# Altium PCB Qwiic GPS-RTK - ublox NEO-M8P.PcbDoc
Units mil, origin at the board's own origin, x right, y up, seen from the top; angles counter-clockwise.
Board outline 1600 x 1300 mil, 2 copper layers (Top, Bottom); 103 components, 39 nets, 156 pads, 203 vias.
Unrouted connection lines stored in the file: 2.
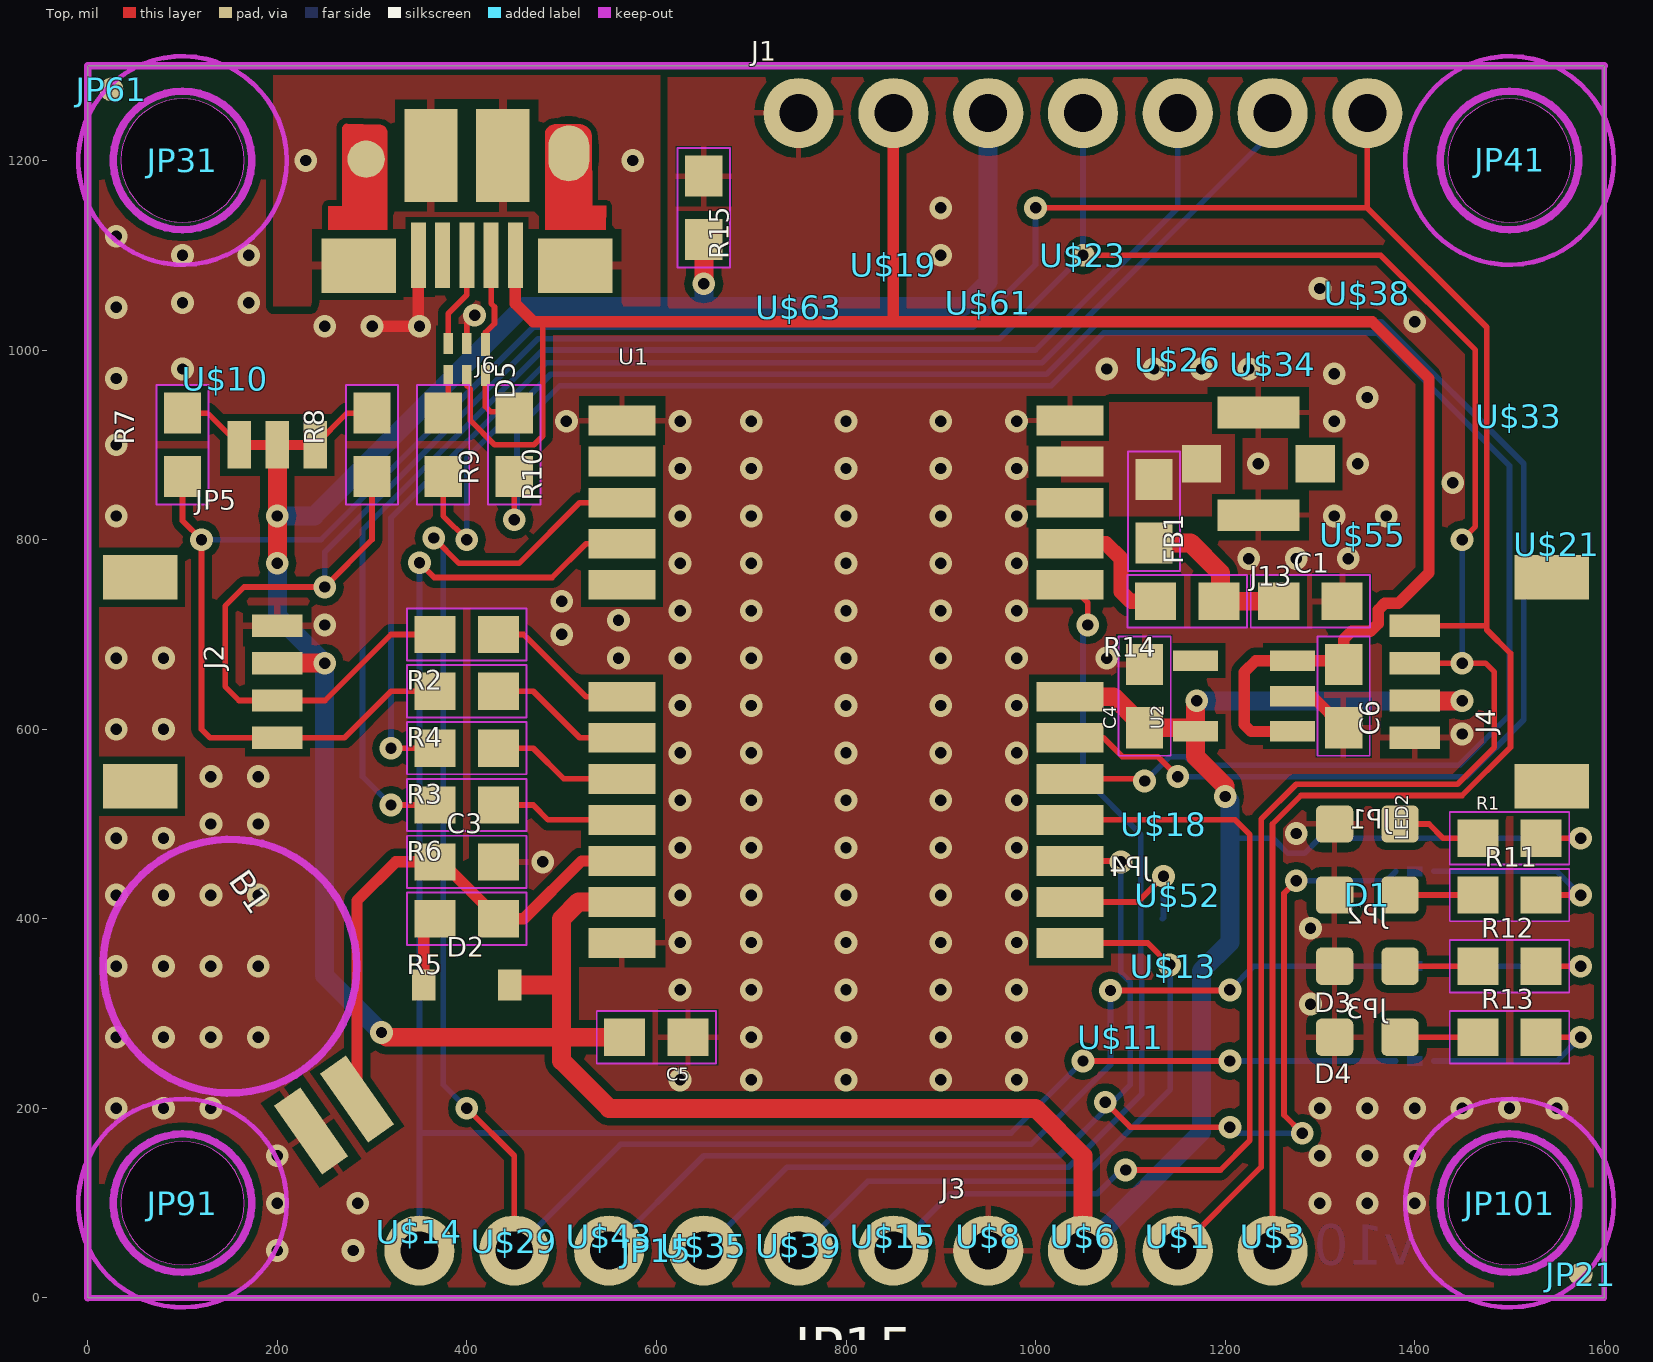
[diagram p0: Top view]
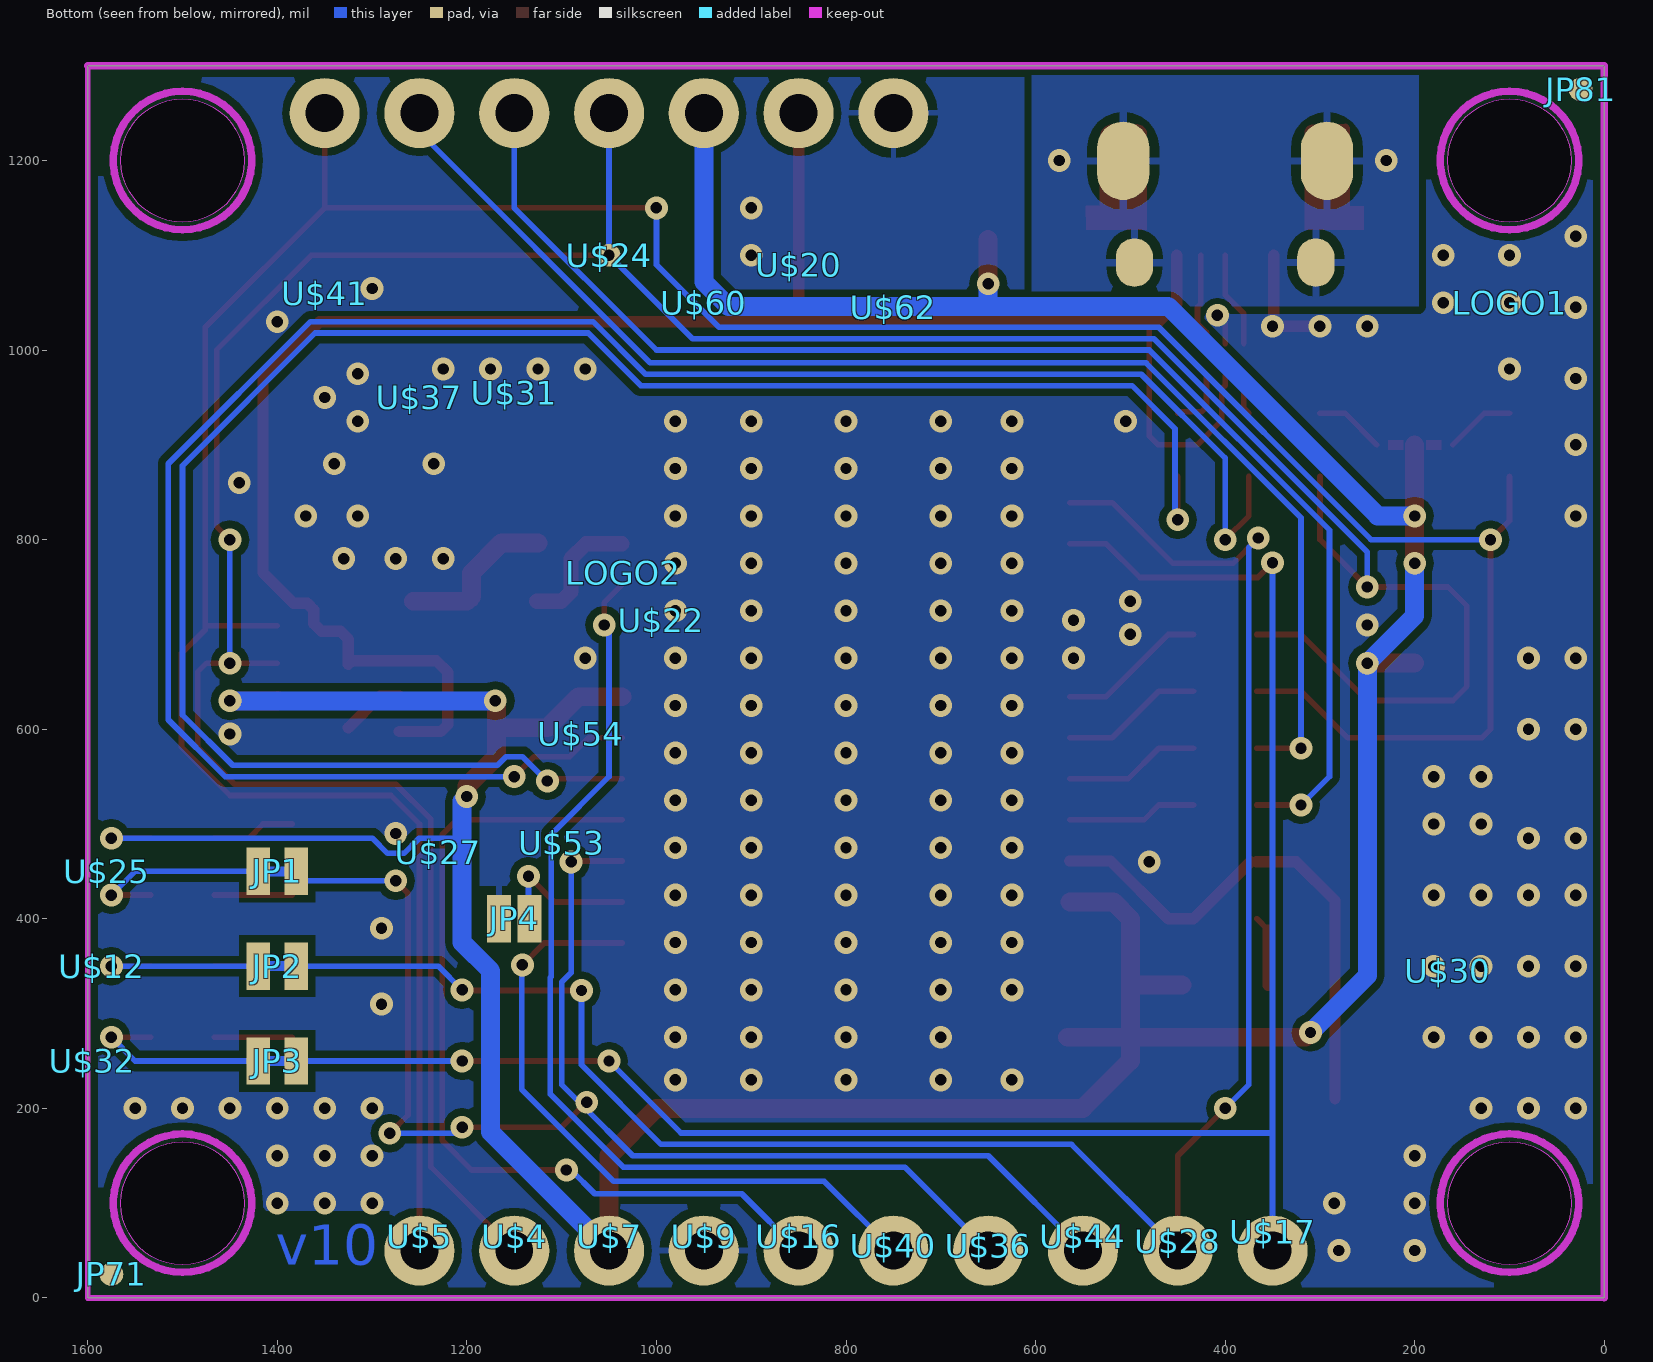
[diagram p1: Bottom view, seen from below]

## Layer stack, top to bottom
Top Solder: solder mask 0.4, Solder Resist, Dk 3.5
Top: signal copper 1.378
Dielectric 1: dielectric 12.6, FR-4, Dk 4.8
Bottom: signal copper 1.378
Bottom Solder: solder mask 0.4, Solder Resist, Dk 3.5

## Board outline
1600,0 0,0 0,1300 1600,1300
cut-out: 100,35 ccw(c100,100) 165,100 ccw(c100,100) 100,165 ccw(c100,100) 35,100 ccw(c100,100)
cut-out: 1500,35 ccw(c1500,100) 1565,100 ccw(c1500,100) 1500,165 ccw(c1500,100) 1435,100 ccw(c1500,100)
cut-out: 100,1135 ccw(c100,1200) 165,1200 ccw(c100,1200) 100,1265 ccw(c100,1200) 35,1200 ccw(c100,1200)
cut-out: 1500,1135 ccw(c1500,1200) 1565,1200 ccw(c1500,1200) 1500,1265 ccw(c1500,1200) 1435,1200 ccw(c1500,1200)

## Design rules (kind name [scope] priority, off if disabled: settings)
BoardOutlineClearance mdCopperDimension [All] p1: gap=10 ignorepadtopadclearanceinfootprint=FALSE except(0: Arc-SplitContinuation Track-SplitContinuation SMDPad-SplitContinuation THPad-SplitContinuation Via-SplitContinuation Fill-SplitContinuation Poly-SplitContinuation Region-SplitContinuation Text-SplitContinuation; 6: Poly-OutlineEdge Poly-CavityEdge Poly-CutoutEdge Poly-SplitBarrior)
Clearance Clearance_for_PolygonClass_Isolate_8 [InPolygonClass('Isolate_8') vs IsArc Or IsTrack Or IsPad Or IsVia Or IsFill Or IsRegion Or IsText] p1: gap=8 ignorepadtopadclearanceinfootprint=FALSE
Clearance Clearance_for_PolygonClass_Isolate_6 [InPolygonClass('Isolate_6') vs IsArc Or IsTrack Or IsPad Or IsVia Or IsFill Or IsRegion Or IsText] p2: gap=6 ignorepadtopadclearanceinfootprint=FALSE
Clearance "Clearance (Same Net)" [All] p3: gap=6 ignorepadtopadclearanceinfootprint=FALSE
Clearance [All] p4: gap=6 ignorepadtopadclearanceinfootprint=FALSE
HoleSize HoleSize_For_NetClass_3.3V [InNetClass('3.3V')] p1: absolutevalues=TRUE maxlimit=0 minlimit=0 maxpercent=80.000 minpercent=20.000
HoleSize HoleSize_For_NetClass_vcc [InNetClass('vcc')] p2: absolutevalues=TRUE maxlimit=0 minlimit=0 maxpercent=80.000 minpercent=20.000
HoleSize [All] p3: absolutevalues=TRUE maxlimit=100000 minlimit=11.81 maxpercent=80.000 minpercent=20.000
HoleToHoleClearance mdDrill [All] p1: gap=6 allowstackedmicrovias=TRUE
MinimumSolderMaskSliver [All] p1 off: minsoldermaskwidth=10
PasteMaskExpansion Expansion_SMDPaste_OFF [InPadClass('SMDPaste_OFF')] p1: expansion=0
PasteMaskExpansion mlMinCreamFrame [All] p2: expansion=0
PolygonConnect PolygonConnect_For_PolygonThermal_ON_Width60000_Gap100000 [InPolygonClass('PolygonThermal_ON_Width60000_Gap100000') vs Not IsVia] p1: connectstyle=Relief reliefconductorwidth=6 reliefentries=4 polygonreliefangle="90 Angle" airgapwidth=10
PolygonConnect PolygonConnect_For_PolygonThermal_ON_Width80000_Gap100000 [InPolygonClass('PolygonThermal_ON_Width80000_Gap100000') vs Not IsVia] p2: connectstyle=Relief reliefconductorwidth=8 reliefentries=4 polygonreliefangle="90 Angle" airgapwidth=10
PolygonConnect PolygonConnect_For_PolygonThermal_OFF [InPolygonClass('PolygonThermal_OFF')] p3: connectstyle=Direct reliefconductorwidth=10 reliefentries=4 polygonreliefangle="90 Angle" airgapwidth=10
PolygonConnect ThermalVias [IsVia] p4: connectstyle=Direct reliefconductorwidth=10 reliefentries=4 polygonreliefangle="90 Angle" airgapwidth=10
PolygonConnect [All] p5: connectstyle=Relief reliefconductorwidth=10 reliefentries=4 polygonreliefangle="90 Angle" airgapwidth=10
RoutingVias [All] p1: holewidth=11.81 width=23.81 viastyle="Through Hole" minholewidth=11.81 minwidth=23.81 maxholewidth=100 maxwidth=100
SolderMaskExpansion Expansion_SMDSolder_OFF [InPadClass('SMDSolder_OFF')] p1: expansion=0 istentingtop=FALSE
SolderMaskExpansion mlMinStopFrame [All] p2: expansion=4 istentingtop=FALSE
Width Width_For_NetClass_3.3V [InNetClass('3.3V')] p1: maxlimit=40 minlimit=10 preferedwidth=20
Width Width_For_NetClass_vcc [InNetClass('vcc')] p2: maxlimit=10 minlimit=6 preferedwidth=6
Width [All] p3: maxlimit=10000 minlimit=6 preferedwidth=6
26 further rules are at their usual default settings.

## Classes and differential pairs
polygon class PolygonThermal_ON_Width60000_Gap100000: Polygon_1_Net_GND Polygon_2_Net_GND
polygon class PolygonThermal_ON_Width80000_Gap100000: Polygon_1_Net_SHLD Polygon_2_Net_SHLD
polygon class PolygonThermal_OFF: Polygon_1_Net_GPS_ANT1
polygon class Isolate_8: Polygon_1_Net_GND Polygon_2_Net_GND
polygon class Isolate_6: Polygon_1_Net_GPS_ANT1
pad class SMDSolder_OFF: J6-SHIELD5 J6-SHIELD6 J6-SHIELD7 J6-SHIELD8 J6-SHIELD9 J6-SHIELD10
pad class SMDPaste_OFF: J6-D+ J6-D- J6-GND J6-ID J6-SHIELD5 J6-SHIELD6 J6-SHIELD7 J6-SHIELD8 J6-SHIELD9 J6-SHIELD10 J6-VBUS JP1-1 JP1-2 JP2-1 JP2-2 JP3-1 JP3-2 JP4-1 JP4-2 JP5-1 JP5-2 JP5-3 JP21-1 JP61-1 JP71-1 JP81-1 U1-1 U1-2 U1-3 U1-4 U1-5 U1-6 U1-7 U1-8 U1-9 U1-10 U1-11 U1-12 U1-13 U1-14 U1-15 U1-16 U1-17 U1-18 U1-19 U1-20 U1-21 U1-22 U1-23 U1-24
net class 3.3V: 3.3V

## Components (designator, comment, footprint, x,y, rotation, side; value= is the part's Value field where it differs from the comment)
B1 "6.8MM_COIN_CELL" BATTCON-6.8MM 150,350 r305 top
C1 "47pF" 0603 1290,735 r0 top
C3 "1.0uF" 0603 400,460 r0 top
C4 "1.0uF" 0603 1115,635 r90 top
C5 "0.1uF" 0603 600,275 r180 top
C6 "1.0uF" 0603 1325,635 r270 top
D1 "Yellow" LED-0603 1350,425 r180 top
D2 "0.5A/40V/420mV" SOD-323 400,330 r0 top
D3 "GREEN" LED-0603 1350,350 r180 top
D4 "BLUE" LED-0603 1350,275 r180 top
D5 "PRTR5V0U2F" SOT886 400,990 r270 top
FB1 "30Ω/1.8A" 0603 1125,830 r270 top
FRAME1 "" CREATIVE_COMMONS -700,-700 r0 top
J1 "" 1X07_NO_SILK 750,1250 r0 top
J2 "" 1X04_1MM_RA 200,650 r270 top
J3 "" 1X04_NO_SILK 950,50 r0 top
J4 "" 1X04_1MM_RA 1400,650 r90 top
J6 "" USB-MICROB-PTH-MILL 400,1100 r180 top
J13 "U.FL" U.FL 1235,880 r180 top
JP1 "" SMT-JUMPER_2_NC_TRACE_SILK 1400,450 r180 bottom
JP2 "" SMT-JUMPER_2_NC_TRACE_SILK 1400,350 r180 bottom
JP3 "" SMT-JUMPER_2_NC_TRACE_SILK 1400,250 r180 bottom
JP4 "" SMT-JUMPER_2_NO_SILK 1150,400 r180 bottom
JP5 "" SMT-JUMPER_3_2-NC_TRACE_SILK 200,900 r180 top
JP15 "" 1X06_NO_SILK 850,50 r180 top
JP21 "" MICRO-FIDUCIAL 1575,25 r0 top
JP31 "" STAND-OFF 100,1200 r0 top
JP41 "" STAND-OFF 1500,1200 r0 top
JP61 "" MICRO-FIDUCIAL 25,1275 r0 top
JP71 "" MICRO-FIDUCIAL 1575,25 r180 bottom
JP81 "" MICRO-FIDUCIAL 25,1275 r180 bottom
JP91 "" STAND-OFF 100,100 r0 top
JP101 "" STAND-OFF 1500,100 r0 top
LED2 "RED" LED-0603 1350,500 r180 top
LOGO1 "" OSHW-LOGO-MINI 100,1050 r180 bottom
LOGO2 "" SFE_LOGO_NAME_FLAME_.1 1035,765 r180 bottom
R1 "1k" 0603 1500,485 r0 top
R2 "33" 0603 400,700 r180 top
R3 "33" 0603 400,580 r180 top
R4 "33" 0603 400,640 r180 top
R5 "1k" 0603 400,400 r180 top
R6 "33" 0603 400,520 r180 top
R7 "2.2k" 0603 100,900 r90 top
R8 "2.2k" 0603 300,900 r90 top
R9 "27" 0603 375,900 r270 top
R10 "27" 0603 450,900 r270 top
R11 "1k" 0603 1500,425 r0 top
R12 "1k" 0603 1500,350 r0 top
R13 "1k" 0603 1500,275 r0 top
R14 "10" 0603 1160,735 r180 top
R15 "100k" 0603 650,1150 r270 top
U1 "NEO-M8P" NEO-M8P 800,650 r0 top
U2 "3.3V" SOT23-5 1220,635 r90 top
U$1 "" SDA-[) 1150,65 r90 top
U$3 "" SCL-[) 1250,65 r90 top
U$4 "" SDA-[) 1150,65 r90 bottom
U$5 "" SCL-[) 1250,65 r90 bottom
U$6 "" 3V3-04 1050,65 r90 top
U$7 "" 3V3-04 1050,65 r90 bottom
U$8 "" GND-04 950,65 r90 top
U$9 "" GND-04 950,65 r90 bottom
U$10 "" I_SUPER2_C-()-03 145,970 r0 top
U$11 "" FENCE2 1090,275 r0 top
U$12 "" JP20 1585,350 r180 bottom
U$13 "" RTK1 1145,350 r0 top
U$14 "" FENCE0 350,70 r90 top
U$15 "" INT8 850,65 r90 top
U$16 "" INT8 850,65 r90 bottom
U$17 "" FENCE0 350,70 r90 bottom
U$18 "" PWR-()-03 1135,500 r0 top
U$19 "" 5V 850,1090 r90 top
U$20 "" 5V 850,1090 r90 bottom
U$21 "" GPS#RTK0 1550,795 r90 top
U$22 "" U#BLOX3 995,715 r180 bottom
U$23 "" CS#-<] 1050,1100 r90 top
U$24 "" CS#-<] 1050,1100 r90 bottom
U$25 "" JP10 1580,450 r180 bottom
U$26 "" RX#MOSI2 1150,990 r90 top
U$27 "" DSEL0 1230,470 r180 bottom
U$28 "" RTK1 450,60 r90 bottom
U$29 "" RTK1 450,60 r90 top
U$30 "" QWIIC-LOGO-MEDIUM 165,345 r180 bottom
U$31 "" RX#MOSI3 1150,955 r90 bottom
U$32 "" JP32 1595,250 r180 bottom
U$33 "" SFE_LOGO_FLAME_.1 1510,930 r90 top
U$34 "" TX#MISO0 1250,985 r90 top
U$35 "" #RST3 650,55 r90 top
U$36 "" #RST3 650,55 r90 bottom
U$37 "" TX#MISO1 1250,950 r90 bottom
U$38 "" SCK-(]-04 1350,1060 r90 top
U$39 "" #SAFE1 750,55 r90 top
U$40 "" #SAFE1 750,55 r90 bottom
U$41 "" SCK-(]-04 1350,1060 r90 bottom
U$43 "" PPS5 550,65 r90 top
U$44 "" PPS5 550,65 r90 bottom
U$52 "" PPS0 1150,425 r0 top
U$53 "" NEO#M8P3 1100,480 r180 bottom
U$54 "" GPS#RTK1 1080,595 r180 bottom
U$55 "" ANT0 1345,805 r90 top
U$60 "" 3V3-04 950,1050 r90 bottom
U$61 "" 3V3-04 950,1050 r90 top
U$62 "" GND-04 750,1045 r90 bottom
U$63 "" GND-04 750,1045 r90 top

## Footprints (in the part's own frame and the unit in brackets; to place one, negate y for a bottom-side part, rotate by r counter-clockwise, add the part's x,y. Pads: shape width x height; smd on the part's side, far side on the other; paste and mask are expansions set on the pad)
1X04_1MM_RA [mm] "1X04_1MM_RA"
  rect 0.6x1.35 smd: 1(-1.5,0) 2(-0.5,0) 3(0.5,0) 4(1.5,0)
  rect 1.2x2 smd: NC1(2.8,-3.675) NC2(-2.8,-3.675)
1X04_NO_SILK [mil] "1X04_NO_SILK"
  round 74 hole 40: 1(0,0) 2(100,0) 3(200,0) 4(300,0)
1X06_NO_SILK [mil] "1X06_NO_SILK"
  round 74 hole 40: 1(0,0) 2(100,0) 3(200,0) 4(300,0) 5(400,0) 6(500,0)
1X07_NO_SILK [mil] "1X07_NO_SILK"
  round 74 hole 40: 1(0,0) 2(100,0) 3(200,0) 4(300,0) 5(400,0) 6(500,0) 7(600,0)
3V3-04 [mil] "3V3-04"
5V [mil] "5V"
0603 [mm] "0603"
  rect 1.1x1 smd: 1(-0.85,0) 2(0.85,0)
  Top keep-out lines w0.051: -1.6,-0.7 -1.6,0.7 1.6,0.7 1.6,-0.7 -1.6,-0.7
#RST3 [mil] "#RST3"
#SAFE1 [mil] "#SAFE1"
ANT0 [mil] "ANT0"
BATTCON-6.8MM [mil] "BATTCON-6.8MM"
  rect 88.58x33.46 smd: +(191.73,29.53) -(191.73,-29.53)
  Top keep-out circle w8: c0,0 r133.86
CREATIVE_COMMONS [mil] "CREATIVE_COMMONS"
CS#-<] [mil] "CS#-<]"
DSEL0 [mil] "DSEL0"
FENCE0 [mil] "FENCE0"
FENCE2 [mil] "FENCE2"
GND-04 [mil] "GND-04"
GPS#RTK0 [mil] "GPS#RTK0"
GPS#RTK1 [mil] "GPS#RTK1"
I_SUPER2_C-()-03 [mil] "I_SUPER2_C-()-03"
INT8 [mil] "INT8"
JP10 [mil] "JP10"
JP20 [mil] "JP20"
JP32 [mil] "JP32"
LED-0603 [mm] "LED-0603"
  rrect30% 1x1 smd: A(-0.877,0) C(0.877,0)
MICRO-FIDUCIAL [mil] "MICRO-FIDUCIAL"
  rrect100% 25x25 smd paste+0: 1(0,0)
NEO#M8P3 [mil] "NEO#M8P3"
NEO-M8P [mm] "NEO-M8P"
  rect 1.8x0.8 smd paste+0: 1(6,-7) 2(6,-5.9) 3(6,-4.8) 4(6,-3.7) 5(6,-2.6) 6(6,-1.5) 7(6,-0.4) 8(6,2.6) 9(6,3.7) 10(6,4.8) 11(6,5.9) 12(6,7) 13(-6,7) 14(-6,5.9) 15(-6,4.8) 16(-6,3.7) 17(-6,2.6) 18(-6,-0.4) 19(-6,-1.5) 20(-6,-2.6) 21(-6,-3.7) 22(-6,-4.8) 23(-6,-5.9) 24(-6,-7)
OSHW-LOGO-MINI [mil] "OSHW-LOGO-MINI"
PPS0 [mil] "PPS0"
PPS5 [mil] "PPS5"
PWR-()-03 [mil] "PWR-()-03"
QWIIC-LOGO-MEDIUM [mil] "QWIIC-LOGO-MEDIUM"
RTK1 [mil] "RTK1"
RX#MOSI2 [mil] "RX#MOSI2"
RX#MOSI3 [mil] "RX#MOSI3"
SCK-(]-04 [mil] "SCK-(]-04"
SCL-[) [mil] "SCL-[)"
SDA-[) [mil] "SDA-[)"
SFE_LOGO_FLAME_.1 [mil] "SFE_LOGO_FLAME_.1"
SFE_LOGO_NAME_FLAME_.1 [mil] "SFE_LOGO_NAME_FLAME_.1"
SMT-JUMPER_2_NC_TRACE_SILK [mil] "SMT-JUMPER_2_NC_TRACE_SILK"
  rect 25x50 smd paste+0: 1(-20,0) 2(20,0)
  Top region: -8,-5 -8,5 8,5 8,-5
SMT-JUMPER_2_NO_SILK [mil] "SMT-JUMPER_2_NO_SILK"
  rect 25x50 smd paste+0: 1(-16,0) 2(16,0)
SMT-JUMPER_3_2-NC_TRACE_SILK [mil] "SMT-JUMPER_3_2-NC_TRACE_SILK"
  rect 25x50 smd paste+0: 1(-40,0) 2(0,0) 3(40,0)
  Top region: -28,-5 -28,5 -12,5 -12,-5
  Top region: 12,-5 12,5 28,5 28,-5
SOD-323 [mil] "SOD-323"
  rect 24.8x32.68 smd: A(45.28,0) C(-45.28,0)
SOT23-5 [mil] "SOT23-5"
  rect 21.65x47.24 smd: 1(-37.4,-51.19) 2(0,-51.19) 3(37.4,-51.19) 4(37.4,51.19) 5(-37.4,51.19)
SOT886 [mil] "SOT886"
  rect 24.02x9.84 smd: 1(-15.94,19.69)
  rect 22.05x9.84 smd: 2(-16.93,0) 3(-16.93,-19.69) 4(16.93,-19.69) 5(16.93,0) 6(16.93,19.69)
STAND-OFF [mil] "STAND-OFF"
  Top keep-out circle w5: c0,0 r110
  Top keep-out lines w8: 0,-73 cw(c0,0) 0,73 cw(c0,0) 0,-73
  Bottom keep-out lines w8: 0,-73 cw(c0,0) 0,73 cw(c0,0) 0,-73
TX#MISO0 [mil] "TX#MISO0"
TX#MISO1 [mil] "TX#MISO1"
U#BLOX3 [mil] "U#BLOX3"
U.FL [mm] "U.FL"
  rect 2.2x0.85 smd: 1(0,1.375) 2(0,-1.375)
  rect 1.05x1 smd: FEED(1.525,0) NC(-1.525,0)
USB-MICROB-PTH-MILL [mm] "USB-MICROB-PTH-MILL"
  rect 0.4x1.75 smd paste+0: D+(0,0) D-(-0.65,0) GND(1.3,0) ID(0.65,0) VBUS(-1.3,0)
  rect 2x1.46 smd: SHIELD(-2.9,0.275) SHIELD2(2.9,0.275)
  rect 1.425x2.5 smd: SHIELD3(-0.962,-2.675) SHIELD4(0.962,-2.675)
  rrect100% 1.4x2.1 smd far side paste+0 mask+0: SHIELD5(-2.732,-2.531) SHIELD7(2.728,-2.531)
  rrect100% 1x1 smd paste+0 mask+0: SHIELD6(2.7,-2.575)
  rrect100% 1.1x1.5 smd paste+0 mask+0: SHIELD8(-2.732,-2.731)
  rrect100% 1x1.3 smd far side paste+0 mask+0: SHIELD9(-2.43,0.195) SHIELD10(2.43,0.195)
  Top region: 3.718,-0.685 3.718,-1.32 3.34,-1.32 3.34,-3.405 3.318,-3.469 3.266,-3.513 3.2,-3.525 3.2,-3.525 2.335,-3.5 2.258,-3.483 2.193,-3.439 2.151,-3.372 2.137,-3.295 2.137,-3.295 2.137,-0.685 3.718,-0.685
  Top region: -3.725,-0.685 -3.73,-1.325 -3.355,-1.325 -3.35,-3.215 -3.302,-3.345 -3.209,-3.446 -3.083,-3.504 -2.945,-3.51 -2.945,-3.51 -2.345,-3.51 -2.245,-3.482 -2.163,-3.418 -2.113,-3.328 -2.1,-3.225 -2.1,-3.225 -2.095,-0.685 -3.725,-0.685

## Part data
B1: library part BATTCON-6.8MM, PackageName=BATTCON-6.8MM
C1 C3 C4 C5 C6 FB1 R1 R2 R3 R4 R5 R6 R7 R8 R9 R10 R11 R12 R13 R14 R15: library part 0603, PackageName=0603
D1 D3 D4 LED2: library part LED-0603, PackageName=LED-0603
D2: library part SOD-323, PackageName=SOD-323
D5: library part SOT886, PackageName=SOT886
FRAME1: library part CREATIVE_COMMONS, PackageName=CREATIVE_COMMONS
J1: library part 1X07_NO_SILK, PackageName=1X07_NO_SILK
J2 J4: library part 1X04_1MM_RA, PackageName=1X04_1MM_RA
J3: library part 1X04_NO_SILK, PackageName=1X04_NO_SILK
J6: library part USB-MICROB-PTH-MILL, PackageName=USB-MICROB-PTH-MILL
JP1 JP2 JP3: library part SMT-JUMPER_2_NC_TRACE_SILK, PackageName=SMT-JUMPER_2_NC_TRACE_SILK
JP4: library part SMT-JUMPER_2_NO_SILK, PackageName=SMT-JUMPER_2_NO_SILK
JP5: library part SMT-JUMPER_3_2-NC_TRACE_SILK, PackageName=SMT-JUMPER_3_2-NC_TRACE_SILK
JP15: library part 1X06_NO_SILK, PackageName=1X06_NO_SILK
JP21 JP61 JP71 JP81: library part MICRO-FIDUCIAL, PackageName=MICRO-FIDUCIAL
JP31 JP41 JP91 JP101: library part STAND-OFF, PackageName=STAND-OFF
LOGO1: library part OSHW-LOGO-MINI, PackageName=OSHW-LOGO-MINI
LOGO2: library part SFE_LOGO_NAME_FLAME_.1, PackageName=SFE_LOGO_NAME_FLAME_.1
U2: library part SOT23-5, PackageName=SOT23-5
U$1 U$4: library part SDA-[), PackageName=SDA-[)
U$3 U$5: library part SCL-[), PackageName=SCL-[)
U$6 U$7 U$60 U$61: library part 3V3-04, PackageName=3V3-04
U$8 U$9 U$62 U$63: library part GND-04, PackageName=GND-04
U$10: library part I_SUPER2_C-()-03, PackageName=I_SUPER2_C-()-03
U$11: library part FENCE2, PackageName=FENCE2
U$12: library part JP20, PackageName=JP20
U$13 U$28 U$29: library part RTK1, PackageName=RTK1
U$14 U$17: library part FENCE0, PackageName=FENCE0
U$15 U$16: library part INT8, PackageName=INT8
U$18: library part PWR-()-03, PackageName=PWR-()-03
U$19 U$20: library part 5V, PackageName=5V
U$21: library part GPS#RTK0, PackageName=GPS#RTK0
U$22: library part U#BLOX3, PackageName=U#BLOX3
U$23 U$24: library part CS#-<], PackageName=CS#-<]
U$25: library part JP10, PackageName=JP10
U$26: library part RX#MOSI2, PackageName=RX#MOSI2
U$27: library part DSEL0, PackageName=DSEL0
U$30: library part QWIIC-LOGO-MEDIUM, PackageName=QWIIC-LOGO-MEDIUM
U$31: library part RX#MOSI3, PackageName=RX#MOSI3
U$32: library part JP32, PackageName=JP32
U$33: library part SFE_LOGO_FLAME_.1, PackageName=SFE_LOGO_FLAME_.1
U$34: library part TX#MISO0, PackageName=TX#MISO0
U$35 U$36: library part #RST3, PackageName=#RST3
U$37: library part TX#MISO1, PackageName=TX#MISO1
U$38 U$41: library part SCK-(]-04, PackageName=SCK-(]-04
U$39 U$40: library part #SAFE1, PackageName=#SAFE1
U$43 U$44: library part PPS5, PackageName=PPS5
U$52: library part PPS0, PackageName=PPS0
U$53: library part NEO#M8P3, PackageName=NEO#M8P3
U$54: library part GPS#RTK1, PackageName=GPS#RTK1
U$55: library part ANT0, PackageName=ANT0
J13: PackageName=U.FL
U1: PackageName=NEO-M8P

## Free pads (board coordinates)
  round 130 hole 130 unplated: MH1(100,100) MH1(100,1200) MH1(1500,100) MH1(1500,1200)

## Via types
v1: diameter 24/24 (per signal layer), hole 12, Top to Bottom, 203 vias

## Nets (pads, with @x,y where several pads share a name; then routed paths per layer and width w, separated by ;. In a path a pad name is that pad's centre, name@x,y a point inside that pad or via, vN(x,y) a via of type N, cw(c..) or ccw(c..) an arc to the next point about the centre after c; other vN are vias at no path point)
3.3V: C4.1 C5.2 D2.A J1.3 J2.2 J3.2 J4.2 JP5.2 R1.2 R15.2 U1.7 U1.23 U2.5 | length 4679.7
  Top w6: v1(200,825) JP5.2 ; R1.2 v1(1575,485)
  Top w20: J2.2 v1(250,669.68) ; v1(200,775) JP5.2 ; v1(310,280) 315,275 500,275 ; D2.A 500,330 ; U1.23 517.72,417.72 500,400 500,330 ; C5.2 500,275 ; v1(650,1070) R15.2 ; U1.7 1082.28,634.25 C4.1 1164.88,601.54 U2.5 ; J3.2 1050,150 1000,200 550,200 500,250 500,275 ; v1(1170,630) 1168.82,628.82 U2.5 ; v1(1200,529) 1200,540 1168.82,571.18 U2.5 ; J4.2 1400.32,630 v1(1450,630) ; 500,275 500,330
  Bottom w6: 1205,485 1250.3,485 1266.3,469 1283.7,469 1299.7,485 v1(1575,485)
  Bottom w20: v1(200,775) 200,719.68 v1(250,669.68) 250,340 v1(310,280) ; v1(200,825) 239.09,825 460.09,1046 650,1046 ; v1(650,1070) 650,1046 ; J1.3 950,1071.97 924.03,1046 650,1046 ; J3.2 1175,175 1175,345 1205,375 1205,485 1205,524 v1(1200,529) ; v1(1170,630) v1(1450,630)
5V: C6.1 D5.5 J1.2 J6.VBUS U2.1 U2.3 | length 2111.1
  Top w6: D5.5 400,962.53 403.69,958.85 403.69,925.71 429.4,900 470.6,900 480,909.4 480,1030
  Top w10: C6.1@1323.46,670 C6.1
  Top w12: J6.VBUS 451.18,1048.82 470,1030 480,1030 850,1030 ; J1.2 850,1030 ; U2.1 1227.4,597.6 1220,605 1220,660 1232.4,672.4 U2.3 1324.13,672.4 1325,671.54 C6.1@1323.46,670 ; C6.1 1325,695 1333.32,703.32 1353.32,703.32 1361.43,711.43 1361.43,725.84 1368.45,732.87 1382.87,732.87 1415,765 1415,970 1355,1030 850,1030
!RESET: JP15.3 U1.8 | length 1103.2
  Top w6: U1.8 1055,733.58 v1(1055,710)
  Bottom w6: JP15.3 738,138 1034.97,138 1112,215.03 1112,338 1111,339 1111,489 1050,550 1050,705 v1(1055,710)
!SAFE: JP15.2 U1.1 | length 708.7
  Top w6: U1.1 1118.32,374.41 v1(1141.36,351.36)
  Bottom w6: JP15.2 823,123 1044.97,123 1142,220.03 1142,350.73 v1(1141.36,351.36)
ANT_VCC: C1.1 FB1.2 R14.1 | length 178.2
  Top w12: R14.1 1200,735 R14.1@1195,740
  Top w20: FB1.2 1163.46,796.54 1195,765 R14.1@1195,740 ; R14.1@1200,735 C1.1
BACKUP: B1.+ C3.1 R5.1 U1.22 | length 555.9
  Top w6: C3.1 C3.1@373.46,460
  Top w12: B1.+ 284.16,419.16 325,460 C3.1 ; C3.1@373.46,460 R5.1 460,400 521.02,461.02 U1.22
D+: D5.4 R9.1 | length 41.8
  Top w6: R9.1 380.32,938.78 D5.4
D-: D5.6 R10.1 | length 65.9
  Top w6: D5.6 419.69,940.32 425,935 448.46,935 R10.1
D_SEL: JP4.2 U1.2 | length 155.5
  Top w6: U1.2 1107.72,417.72 v1(1135,445)
  Bottom w6: JP4.2 1135,401 v1(1135,445)
FENCE_STAT: JP3.2 JP15.6 U1.16 | length 2022.6
  Top w6: v1(350,775.68) 365.69,760 490,760 525.67,795.67 U1.16 ; v1(1050,250) v1(1205,250)
  Bottom w6: JP15.6 350,175 ; v1(350,775.68) 350,175 ; v1(1050,250) 974,174 351,174 350,175 ; v1(1205,250) JP3.2
GND: B1.- C1.2 C3.2 C4.2 C5.1 C6.2 D1.C D3.C D4.C D5.2 J1.1 J2.1 J3.1 J4.1 J6.GND J13.1 J13.2 JP4.1 LED2.C R15.1 U1.10 U1.12 U1.13 U1.24 U2.2 | length 224.8
  Top w6: D5.2 400,1028.64 v1(408.18,1036.82)
  Top w12: v1(300,1025) 348.82,1025 J6.GND ; U2.2 1291.54,635 C6.2
  other v1: 200,50 280,50 200,100 285,100 1300,100 1350,100 1400,100 200,150 1300,150 1350,150 1400,150 30,200 80,200 130,200 1300,200 1350,200 1400,200 1450,200 1500,200 1550,200 625,230 700,230 800,230 900,230 980,230 30,275 80,275 130,275 180,275 700,275 800,275 900,275 980,275 1290,310 625,325 700,325 800,325 900,325 980,325 30,350 80,350 130,350 180,350 625,375 700,375 800,375 900,375 980,375 1290,390 30,425 80,425 130,425 180,425 625,425 700,425 800,425 900,425 980,425 480,460 625,475 700,475 800,475 900,475 980,475 30,485 80,485 1275,490 130,500 180,500 625,525 700,525 800,525 900,525 980,525 130,550 180,550 625,575 700,575 800,575 900,575 980,575 1450,595 30,600 80,600 625,625 700,625 800,625 900,625 980,625 30,675 80,675 560,675 625,675 700,675 800,675 900,675 980,675 1075,675 500,700 250,710 560,715 625,725 700,725 800,725 900,725 980,725 500,735 625,775 700,775 800,775 900,775 980,775 1225,780 1275,780 1330,780 30,825 625,825 700,825 800,825 900,825 980,825 1315,825 1370,825 1440,860 625,875 700,875 800,875 900,875 980,875 1235,880 1340,880 30,900 505,925 625,925 700,925 800,925 900,925 980,925 1315,925 1350,950 30,970 1315,975 100,980 1075,980 1125,980 1175,980 1225,980 250,1025 350,1025 1400,1030 30,1045 100,1050 170,1050 1300,1065 100,1100 170,1100 900,1100 30,1120 900,1150
GPS_ANT1: FB1.1 J13.FEED U1.11
INT: JP15.1 U1.4 | length 943.2
  Top w6: U1.4 1210.67,504.33 1226,489 1226,166 1195,135 v1(1095,135)
  Bottom w6: JP15.1 910,110 1065,110 1090,135 v1(1095,135)
N$1: D3.A R12.1 | length 82
  Top w6: D3.A R12.1
N$2: D1.A R11.1 | length 82
  Top w6: D1.A R11.1
N$3: JP2.1 R12.2 | length 196.5
  Top w6: R12.2 v1(1575,350)
  Bottom w6: JP2.1 v1(1575,350)
N$4: JP1.1 R11.2 | length 206.9
  Top w6: R11.2 v1(1575,425)
  Bottom w6: JP1.1 1550,450 v1(1575,425)
N$5: JP5.1 R8.2 | length 73.9
  Top w6: JP5.1 273.46,933.46 R8.2
N$6: D2.C R5.2 | length 74.9
  Top w6: R5.2@354.72,388.19 R5.2
  Top w12: D2.C R5.2@354.72,388.19
N$7: D4.A R13.1 | length 82
  Top w6: D4.A R13.1
N$8: JP5.3 R7.2 | length 73.9
  Top w6: R7.2 126.54,933.46 JP5.3
N$9: JP3.1 R13.2 | length 206.9
  Top w6: R13.2 v1(1575,275)
  Bottom w6: JP3.1 1550,250 v1(1575,275)
N$10: LED2.A R1.1 | length 88.2
  Top w6: LED2.A 1415,500 1430,485 R1.1
N$11: R9.2 U1.6 | length 2190.3
  Top w6: R9.2 375,825 v1(400,800) ; U1.6 1071.52,590.94 1091.59,570.88 1129.12,570.88 v1(1150,550)
  Bottom w6: v1(400,800) 400,886.06 488.46,974.51 1011.49,974.51 1066.97,1030 1365,1030 1515,880 1515,610 1455,550 v1(1150,550)
N$12: R10.2 U1.5 | length 2053.7
  Top w6: v1(450,821) R10.2 ; U1.5 1112.69,547.64 v1(1115,545.33)
  Bottom w6: v1(450,821) 452.96,823.96 452.96,917.04 498.43,962.51 1016.46,962.51 1071.94,1018 1360.03,1018 1500,878.03 1500,615 1447,562 1167.7,562 1158.7,571 1141.3,571 1115.63,545.33 v1(1115,545.33)
N$13: R14.2 U1.9 | length 136
  Top w16: U1.9 1074.33,795.67 1090,780 1090,745 1100,735 R14.2
PPS: JP1.2 JP15.4 U1.3 | length 1532.7
  Top w6: U1.3 1088.98,461.02 v1(1090,460) ; v1(1073.64,206.36) 1100,180 v1(1205,180) ; v1(1275,440) 1262,427 1262,193 v1(1281.29,173.71)
  Bottom w6: JP15.4 650,150 1025,150 v1@1080,205 ; v1(1073.64,206.36) 1075,205 v1@1080,205 ; v1(1090,460) 1090,343.03 1100,333.03 1100,225 v1@1080,205 ; v1(1205,180) 1211.29,173.71 v1(1281.29,173.71) ; v1(1275,440) 1370,440 JP1.2
RTK_STAT: JP2.2 JP15.5 U1.15 | length 2123.8
  Top w6: v1(365,801.68) 391.69,775 455,775 518.98,838.98 U1.15 ; v1(400,200) 450,150 JP15.5 ; v1(1079,324.33) 1205,324.33 v1(1205,325)
  Bottom w6: v1(365,801.68) 375,791.68 375,225 v1(400,200) ; JP15.5 562,162 995,162 1079,246 v1(1079,324.33) ; v1(1205,325) 1230,350 JP2.2
RXI/MOSI: J1.5 R6.2 | length 1449.8
  Top w6: v1(320,520) R6.2
  Bottom w6: v1(320,520) 290,550 290,810 480,1000 1000,1000 1150,1150 J1.5
RXLV: R6.1 U1.21 | length 136.8
  Top w6: R6.1 470,520 485.67,504.33 U1.21
SCL/SCK: J1.7 J2.4 J3.4 J4.4 R4.2 R7.1 | length 3498.1
  Top w6: R7.1 100,820 v1(120,800) 120,600 129.06,590.94 J2.4 270.94,590.94 320,640 R4.2 ; v1(1000,1150) 1350,1150 ; J3.4 1250,500 1280,530 1450,530 1501.02,581.02 1501.02,680 1476.02,705 1476.02,710 ; J1.7 1350,1150 ; J4.4 1475.07,709.06 1476.02,710 ; 1350,1150 1476.02,1023.99 1476.02,710
  Bottom w6: v1(120,800) 246.06,800 470.06,1024 934,1024 1000,1090 v1(1000,1150)
SCL_LV: R4.1 U1.19 | length 150.6
  Top w6: R4.1 470,640 519.06,590.94 U1.19
SDA/!CS: J1.4 J2.3 J3.3 J4.3 R2.2 R8.1 | length 3436.4
  Top w6: R8.1 300,800 v1(250,750) 165,750 145,730 145,645 159.69,630.32 J2.3 250.32,630.32 320,700 R2.2 ; v1(1050,1100) 1364.02,1100 1464.02,1000 1464.02,814.02 v1(1450,800) ; J3.3 1238,138 1238,504.97 1275.03,542 1445.03,542 1484.01,580.99 1484.01,660.36 1474.69,669.68 v1(1450,669.68) J4.3
  Bottom w6: v1(250,750) 250,786.97 475.03,1012 962,1012 v1(1050,1100) J1.4 ; v1(1450,669.68) v1(1450,800)
SDA_LV: R2.1 U1.18 | length 157.6
  Top w6: R2.1 460,700 525.75,634.25 U1.18
SHLD: J6.SHIELD J6.SHIELD2 J6.SHIELD3 J6.SHIELD4 J6.SHIELD5 J6.SHIELD6 J6.SHIELD7 J6.SHIELD8 J6.SHIELD9 J6.SHIELD10
  other v1: 230,1200 575,1200
TXLV: R3.1 U1.20 | length 143.7
  Top w6: R3.1 470,580 502.36,547.64 U1.20
TXO/MISO: J1.6 R3.2 | length 1408.1
  Top w6: v1(320,580) R3.2
  Bottom w6: v1(320,580) 320,823.03 483.49,986.51 1006.51,986.51 1250,1230 J1.6
USB_D+: D5.3 J6.D+ | length 101.2
  Top w6: D5.3 380.32,1038.66 400,1058.34 J6.D+
USB_D-: D5.1 J6.D- | length 99.5
  Top w6: D5.1 419.69,1018.63 429.18,1028.12 429.18,1045.52 425.59,1049.11 J6.D-
pads on no net: J2.NC1 J2.NC2 J4.NC1 J4.NC2 J6.ID J13.NC JP21.1 JP61.1 JP71.1 JP81.1 U1.14 U1.17 U2.4

## Polygon pours and split planes (outlines as drawn)
GPS_ANT1 on Top "Polygon_1_Net_GPS_ANT1" (solid, remove dead copper, pour order 0): 1027.13,945 1027.13,824.68 1210,824.68 1210,945
SHLD on Top "Polygon_2_Net_SHLD" (solid, remove dead copper, pour order 2): 604,1304 604,1046 196,1046 196,1304
GND on Top "Polygon_1_Net_GND" (solid, remove dead copper, pour order 4): -3,1303 1603,1303 1603,-3 -3,-3
SHLD on Bottom "Polygon_1_Net_SHLD" (solid, remove dead copper, pour order 1): 604,1304 604,1046 196,1046 196,1304
GND on Bottom "Polygon_2_Net_GND" (solid, remove dead copper, pour order 3): -3,1303 1603,1303 1603,-3 -3,-3

## Keep-outs
Keep-Out Layer:
  the board outline again, w6

## Other copper
Bottom:
  text "v10" at 1401.73,35.13 h42.5

## Silkscreen, mask and mechanical layers (free items; w line width, h text height)
Dimension:
  the board outline again, w6
Measures:
  text "Measurements in inches" at -100,-350 h59.5

## Dimensions
100,1200 to 1500,1200 on tFinish
100,100 to 100,1200 on tFinish
1400,650 to 1400,1300 on tFinish
0,1300 to 1600,1300 on tFinish
0,1300 to 750,1300 on tFinish
0,0 to 350,0 on tFinish
0,1300 to 400,1300 on tFinish
0,0 to 0,1300 on tFinish

## Text inside footprints (layer, text, board x,y; h text height)
FRAME1: tDocu "Designed by:" at -250,-700 h59.5; tDocu "https://creativecommons.org/licenses/by-sa/4.0/" at -700,-600 h59.5; tDocu "Released under the Creative Commons Attribution Share-Alike 4.0 License" at -1500,-500 h59.5